# Altium PCB 超级电容(改).PcbDoc
Units mil, origin at the board's own origin, x right, y up, seen from the top; angles counter-clockwise.
Board outline 3947.04 x 1132.08 mil, 2 copper layers (Top Layer, Bottom Layer); 36 components, 21 nets, 109 pads, 0 vias.
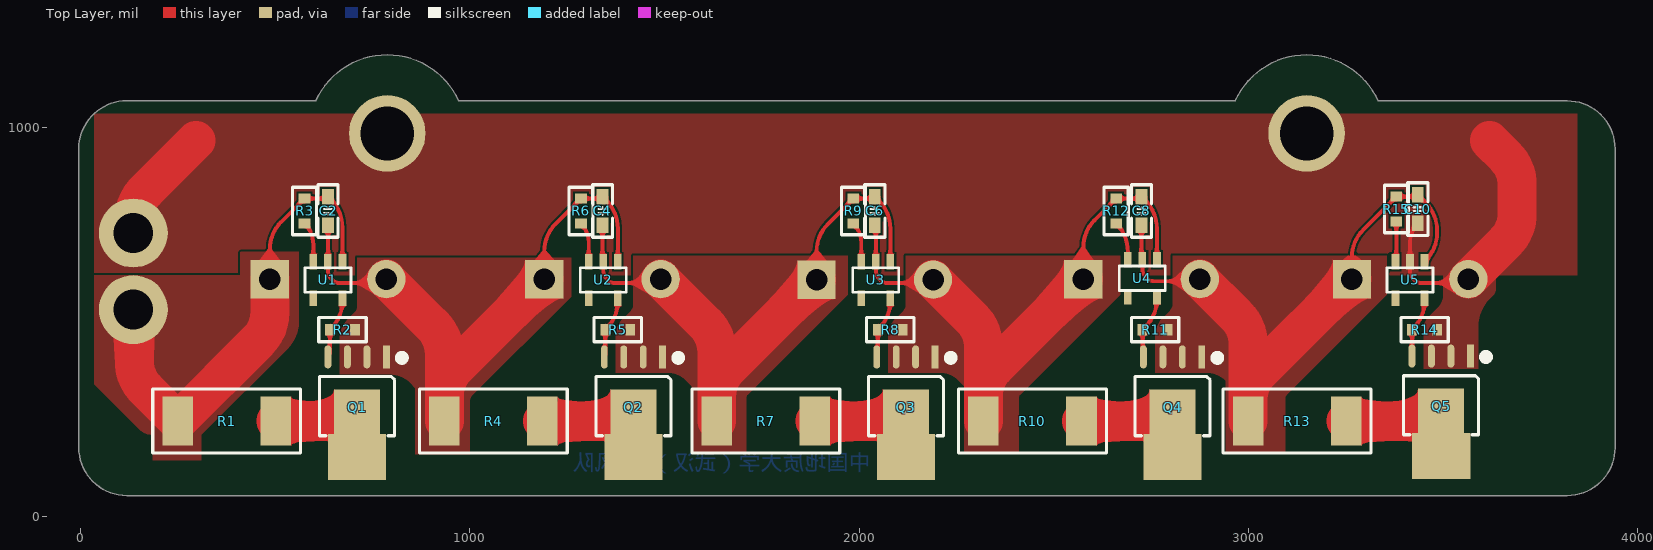
[diagram p0: Top Layer view]
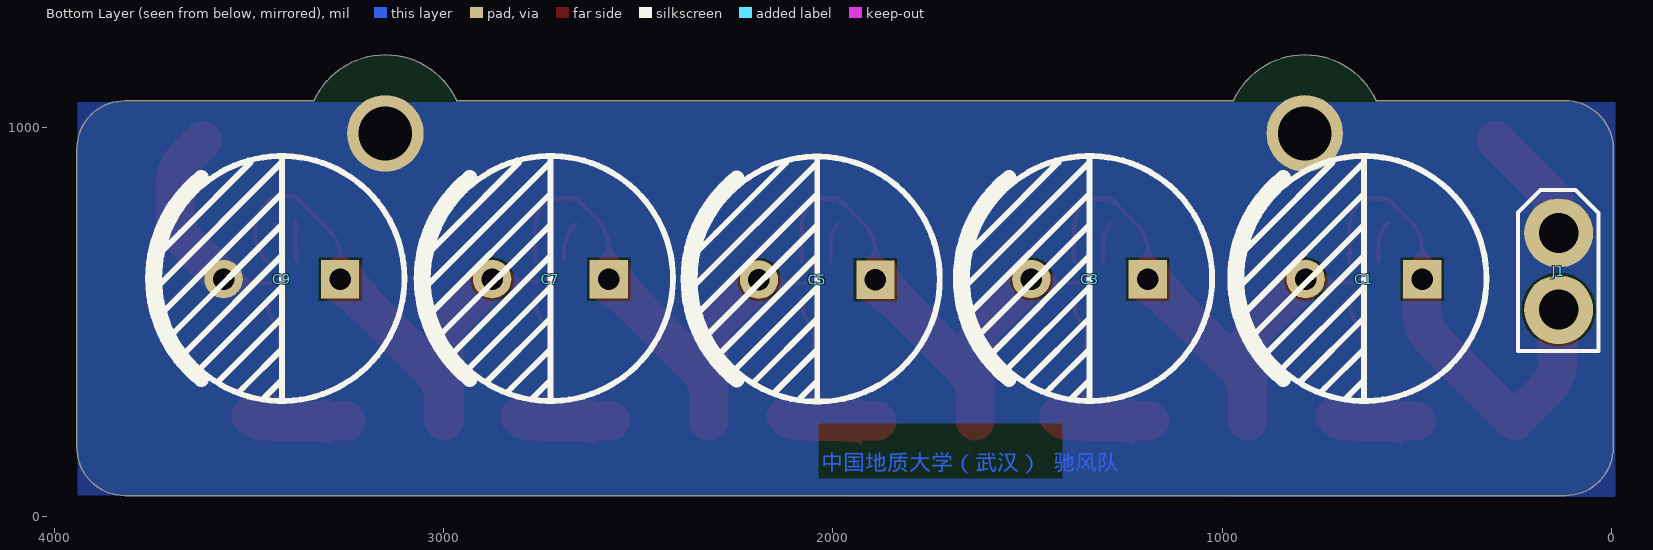
[diagram p1: Bottom Layer view, seen from below]
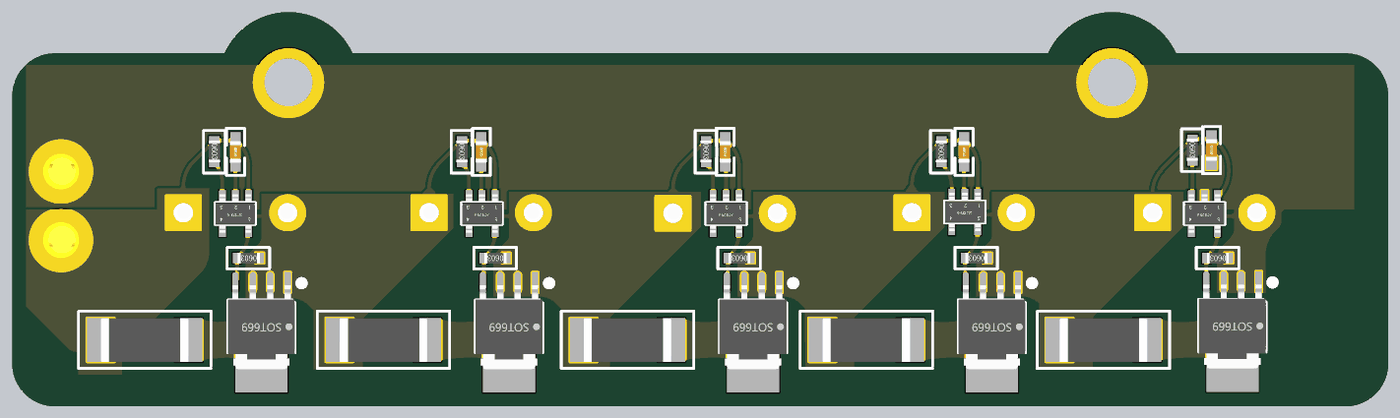
[diagram p2: 3D render of the assembled board from above, using the file's embedded part models]
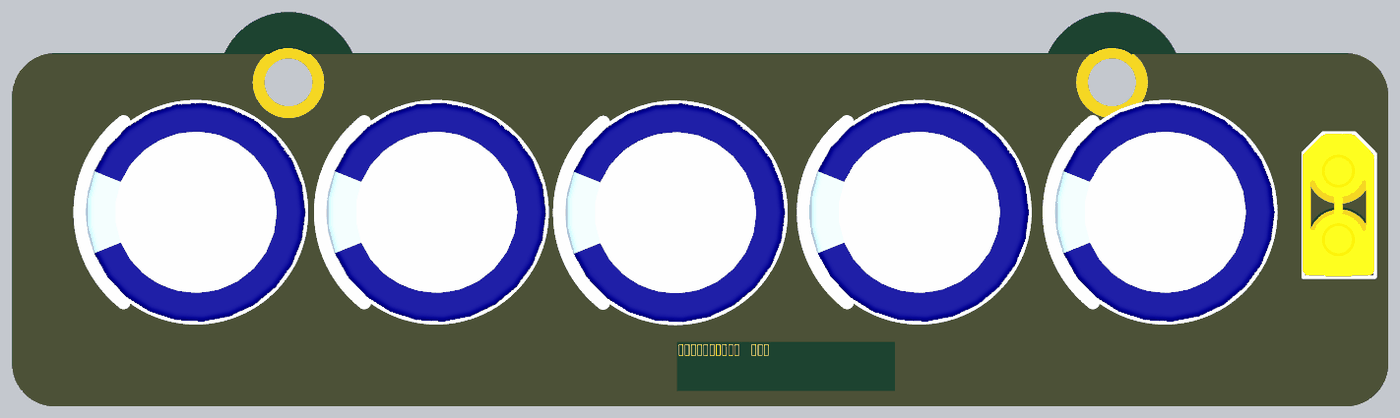
[diagram p3: 3D render of the assembled board from below, using the file's embedded part models]

## Layer stack, top to bottom
Top Solder: solder mask 0.4, Solder Resist, Dk 3.5
Top Layer: signal copper 1.4
Dielectric 1: dielectric 12.6, FR-4, Dk 4.8
Bottom Layer: signal copper 1.4
Bottom Solder: solder mask 0.4, Solder Resist, Dk 3.5

## Board outline
-5.01,177.17 ccw(c118.11,177.17) 118.08,54.04 ccw(c118.11,59.06) 118.11,54.04 3818.9,54.04 ccw(c3818.9,59.06) 3818.93,54.04 ccw(c3818.9,177.17) 3942.02,177.13 ccw(c3818.9,177.17) 3942.02,177.17 3942.02,944.88 ccw(c3937.01,944.88) 3942.02,944.91 ccw(c3818.9,944.88) 3818.9,1068.01 3333.28,1068.01 ccw(c3149.61,984.25) 2966.07,1068.3 971.07,1068.01 ccw(c787.4,984.25) 603.73,1068.01 118.11,1068.01 ccw(c118.11,944.88) -5.01,944.88

## Design rules (kind name [scope] priority, off if disabled: settings)
Clearance [All] p1: gap=6 ignorepadtopadclearanceinfootprint=FALSE except(0: Arc-Hole Track-Hole SMDPad-Hole THPad-Hole Via-Hole Fill-Hole Poly-Hole Region-Hole Text-Hole)
Height [All] p1: minheight=0 maxheight=99999 prefheight=500
PolygonConnect PolygonConnect_6 [All vs IsNamedPolygon('Bottom Layer-No Net')] p1: connectstyle=Direct reliefconductorwidth=10 reliefentries=4 polygonreliefangle="90 Angle" airgapwidth=10
PolygonConnect PolygonConnect_5 [All vs IsNamedPolygon('Bottom Layer-No Net')] p2: connectstyle=Direct reliefconductorwidth=10 reliefentries=4 polygonreliefangle="90 Angle" airgapwidth=10
PolygonConnect PolygonConnect_4 [All vs IsNamedPolygon('Top Layer-GND 1')] p3: connectstyle=Direct reliefconductorwidth=10 reliefentries=4 polygonreliefangle="90 Angle" airgapwidth=10
PolygonConnect PolygonConnect_3 [All vs IsNamedPolygon('Top Layer-GND')] p4: connectstyle=Direct reliefconductorwidth=10 reliefentries=4 polygonreliefangle="90 Angle" airgapwidth=10
PolygonConnect PolygonConnect_2 [All vs IsNamedPolygon('Top Layer-NetC1_2')] p5: connectstyle=Direct reliefconductorwidth=10 reliefentries=4 polygonreliefangle="90 Angle" airgapwidth=10
PolygonConnect PolygonConnect_1 [All vs IsNamedPolygon('Top Layer-VCC')] p6: connectstyle=Direct reliefconductorwidth=10 reliefentries=4 polygonreliefangle="90 Angle" airgapwidth=10
PolygonConnect [All] p7: connectstyle=Relief reliefconductorwidth=10 reliefentries=4 polygonreliefangle="90 Angle" airgapwidth=10
RoutingVias [All] p1: holewidth=28 width=50 viastyle="Through Hole" minholewidth=28 minwidth=50 maxholewidth=28 maxwidth=50
SolderMaskExpansion [All] p1: expansion=4
Width [All] p1: maxlimit=100 minlimit=10 preferedwidth=10 minimp=50.000000 maximp=50.000000 favimp=50.000000
29 further rules are at their usual default settings.

## Components (designator, comment, footprint, x,y, rotation, side; value= is the part's Value field where it differs from the comment)
C1 "BCAP0025" BCAP0025 635.39,611.5 r0 bottom
C2 "104" C0603 635.39,785 r270 top
C3 "BCAP0025" BCAP0025 1340.39,611.5 r0 bottom
C4 "104" C0603 1340.39,785 r270 top
C5 "BCAP0025" BCAP0025 2040,610 r0 bottom
C6 "104" C0603 2040,785 r270 top
C7 "BCAP0025" BCAP0025 2725.39,611.5 r0 bottom
C8 "104" C0603 2725,785 r270 top
C9 "BCAP0025" BCAP0025 3415.39,611.5 r0 bottom
C10 "104" C0603 3435,790 r270 top
J1 "2P" XT30ĸ 135,630 r270 bottom (schematic designator J?)
Q1 "PSMN1R4-40YLD" PSMN1R4-40YLD 710,282.68 r180 top
Q2 "PSMN1R4-40YLD" PSMN1R4-40YLD 1420,282.68 r180 top
Q3 "PSMN1R4-40YLD" PSMN1R4-40YLD 2120,282.68 r180 top
Q4 "PSMN1R4-40YLD" PSMN1R4-40YLD 2805,282.68 r180 top
Q5 "PSMN1R4-40YLD" PSMN1R4-40YLD 3495,285 r180 top
R1 "4R7" R2512 375,245 r0 top
R2 "1K" R0603 672.4,480 r180 top
R3 "1K" R0603 575,785 r270 top
R4 "4R7" R2512 1060,245 r0 top
R5 "1K" R0603 1380,480 r180 top
R6 "1K" R0603 1285,785 r270 top
R7 "4R7" R2512 1760,245 r0 top
R8 "1K" R0603 2080,480 r180 top
R9 "1K" R0603 1985,785 r270 top
R10 "4R7" R2512 2445,245 r0 top
R11 "1K" R0603 2760,480 r180 top
R12 "1K" R0603 2660,785 r270 top
R13 "4R7" R2512 3125,245 r0 top
R14 "1K" R0603 3452.4,480 r180 top
R15 "1K" R0603 3380,790 r270 top
U1 "BW6101" SOT23-5 672.4,655 r180 top
U2 "BW6101" SOT23-5 1379.8,655 r180 top
U3 "BW6101" SOT23-5 2080,655 r180 top
U4 "BW6101" SOT23-5 2764.8,659.49 r180 top
U5 "BW6101" SOT23-5 3452.4,655 r180 top

## Footprints (in the part's own frame and the unit in brackets; to place one, negate y for a bottom-side part, rotate by r counter-clockwise, add the part's x,y. Pads: shape width x height; smd on the part's side, far side on the other; paste and mask are expansions set on the pad)
BCAP0025 [mm]
  rect 2.5x2.5 hole 1.4: 1(-3.8,0.038)
  round 2.5 hole 1.4: 2(3.8,0.038)
  silkscreen extent -8,-8 8.42,8, body extent -8,-8 8.01,8, height 31.53
C0603 [mil]
  rect 40x30 smd: 1(-36.5,0) 2(36.5,0)
  silkscreen extent -68,-26 68,26, body extent -31,-16 31,16, height 32
PSMN1R4-40YLD [mm]
  rect 0.45x1.5 smd: 1(-1.905,-3.234)
  oval 0.45x1.5 smd: 2(-0.635,-3.234) 3(0.635,-3.234) 4(1.905,-3.234)
  rect 3.8x3 smd: 5(0,3.302)
  rect 3x3.5 smd: 5(0,0.635)
  silkscreen extent -3.12,-3.37 2.45,1.91, body extent -2.45,-3.02 2.45,3.1, height 1.1
R0603 [mil]
  rect 25x30 smd: 1(-32,0) 2(32,0)
  silkscreen extent -61,-31 61,31, body extent -32,-16 31,16, height 18
R2512 [mm]
  rect 2x3.2 smd: 1(-3.2,0) 2(3.2,0)
  silkscreen extent -4.83,-2.08 4.83,2.11, body extent -3.2,-1.63 3.2,1.57, height 0.7
SOT23-5 [mm]
  rect 0.5x1 smd: 1(0,0) 2(0.95,0) 3(1.9,0) 4(1.9,2.4) 5(0,2.4)
  silkscreen extent -0.55,0.4 2.45,2, body extent -0.5,-0.2 2.4,2.6, height 1.09
XT30ĸ [mm]
  round 4.5 hole 2.6: 1(2.5,0) 2(-2.5,0)
  silkscreen extent -5.3,-2.65 5.2,2.6, body extent -5.25,-2.7 5.2,2.55, height 12.6

## Part data
C2 C4 C6 C8 C10: library part MLCC
R1 R2 R3 R4 R5 R6 R7 R8 R9 R10 R11 R12 R13 R14 R15: library part RES

## Free pads (board coordinates)
  round 196.85 hole 137.8: ""(787.4,984.25) ""(3149.61,984.25)

## Nets (pads, with @x,y where several pads share a name; then routed paths per layer and width w, separated by ;. In a path a pad name is that pad's centre, name@x,y a point inside that pad or via, vN(x,y) a via of type N, cw(c..) or ccw(c..) an arc to the next point about the centre after c; other vN are vias at no path point)
GND: C9.2 C10.2 J1.2 pad. Q5.1 Q5.2 Q5.3 R14.1 U5.2 | length 1002.7
  Top Layer w10: C10.2 ccw(c3483.28,705.22) 3415,705.22 U5.2 3415,632.64 ccw(c3449.14,632.64) 3425,608.5 ccw(c3445.51,629.01) 3445.51,600 C9.2@3540.86,600
  Top Layer w100: J1.2@137.8,723.43 137.8,766.37 cw(c237.8,766.37) 167.08,837.08 295.71,965.71 ; C9.2 3660.71,705.71 ccw(c3590,776.42) 3690,776.42 3690,853.58 ccw(c3590,853.58) 3660.71,924.29 3619.29,965.71
NetC1_2: C1.2 C2.2 C3.1 C4.1 Q1.1 Q1.2 Q1.3 R2.1 R4.1 R6.1 U1.2 U2.1 | length 1587.2
  Top Layer w10: C2.2 635.39,655.94 cw(c634.06,655.94) U1.2 635,632.64 ccw(c669.14,632.64) 645,608.5 ccw(c665.51,629.01) 665.51,600 760.86,600 ccw(c760.86,634.14) C1.2 ; C3.1 1190.79,681.37 cw(c1290.79,681.37) 1220.08,752.08 R6.1 1329.53,817 ccw(c1329.53,832.36) C4.1 1350.51,811.38 cw(c1279.8,740.67) 1379.8,740.67 U2.1
  Top Layer w100: C1.2 904.73,490.27 cw(c834.02,419.56) 934.02,419.56 934.02,311.81 ; R4.1 934.02,311.81 ; C3.1 963.31,382.52 ccw(c1034.02,311.81) 934.02,311.81
NetC3_2: C3.2 C4.2 C5.1 C6.1 Q2.1 Q2.2 Q2.3 R5.1 R7.1 R9.1 U2.2 U3.1 | length 1559.7
  Top Layer w10: C4.2 1340.39,659.86 ccw(c1347.26,659.86) U2.2 1342.4,632.64 ccw(c1376.54,632.64) 1352.4,608.5 ccw(c1372.91,629.01) 1372.91,600 C3.2@1468.26,600 ; C5.1 1890.4,680.98 cw(c1990.4,680.98) 1919.69,751.69 R9.1 2029.14,817 ccw(c2029.14,832.36) C6.1 2050.71,810.79 cw(c1980,740.08) 2080,740.08 U3.1
  Top Layer w100: C3.2 1604.73,495.27 cw(c1534.02,424.56) 1634.02,424.56 1634.02,310.69 ; R7.1 1634.02,310.69 ; C5.1 1663.3,381.4 ccw(c1734.02,310.69) 1634.02,310.69
NetC5_2: C5.2 C6.2 C7.1 C8.1 Q3.1 Q3.2 Q3.3 R8.1 R10.1 R12.1 U3.2 U4.1 | length 1556.3
  Top Layer w10: C6.2 cw(c2033.73,742.23) 2042.6,742.23 U3.2 2042.6,632.64 ccw(c2076.74,632.64) 2052.6,608.5 ccw(c2073.11,629.01) 2073.11,600 C5.2@2168.46,600 ; C7.1 2575.79,691.37 cw(c2675.79,691.37) 2605.08,762.08 R12.1 2714.14,817 ccw(c2714.14,832.36) C8.1 2735.51,810.99 cw(c2664.8,740.28) 2764.8,740.28 U4.1 U4.1@2764.8,655.74
  Top Layer w100: C5.2 2289.73,508.38 cw(c2219.02,437.67) 2319.02,437.67 2319.02,311.81 ; R10.1 2319.02,311.81 ; C7.1 2348.3,382.52 ccw(c2419.02,311.81) 2319.02,311.81
NetC7_2: C7.2 C8.2 C9.1 C10.1 Q4.1 Q4.2 Q4.3 R11.1 R13.1 R15.1 U4.2 U5.1 | length 1591.2
  Top Layer w10: C8.2 2725,665.29 ccw(c2733.2,665.29) U4.2 2727.4,637.13 ccw(c2761.54,637.13) 2737.4,612.98 ccw(c2757.91,633.5) 2757.91,604.49 C7.2@2853.26,604.49 ; C9.1 3265.79,666.37 cw(c3365.79,666.37) 3295.08,737.08 R15.1 3424.14,822 ccw(c3424.14,837.36) C10.1 3455.11,806.39 cw(c3384.4,735.68) 3484.4,735.68 3484.4,728.42 cw(c3384.4,728.42) 3455.11,657.71 U5.1
  Top Layer w100: C7.2 2969.73,515.27 cw(c2899.02,444.56) 2999.02,444.56 R13.1@2999.02,301.81 ; R13.1 R13.1@2999.02,301.81 ; C9.1 3028.3,372.52 ccw(c3099.02,301.81) R13.1@2999.02,301.81
NetQ1_4: Q1.4 R2.2 U1.5 | length 160.9
  Top Layer w10: Q1.4 ccw(c621.95,423.05) 640.4,423.05 R2.2 643.11,482.71 ccw(c572.4,553.42) 672.4,553.42 U1.5
NetQ1_5: Q1.5 R1.2 | length 212.4
  Top Layer w100: R1.2 679.39,245 ccw(c679.39,288.28) Q1.5@710,257.68
NetQ2_4: Q2.4 R5.2 U2.5 | length 160.2
  Top Layer w10: Q2.4 ccw(c1337.75,417.25) 1348,417.25 R5.2 1350.51,482.51 ccw(c1279.8,553.22) 1379.8,553.22 U2.5
NetQ2_5: Q2.5 R4.2 | length 237.4
  Top Layer w100: R4.2 1389.39,245 ccw(c1389.39,288.28) Q2.5@1420,257.68
NetQ3_4: Q3.4 R8.2 U3.5 | length 160.3
  Top Layer w10: Q3.4 ccw(c2037.76,417.24) 2048,417.24 R8.2 2050.71,482.71 ccw(c1980,553.42) 2080,553.42 U3.5
NetQ3_5: Q3.5 R7.2 | length 237.4
  Top Layer w100: R7.2 2089.39,245 ccw(c2089.39,288.28) Q3.5@2120,257.68
NetQ4_4: Q4.4 R11.2 U4.5 | length 166.5
  Top Layer w10: Q4.4 cw(c2734.83,414.83) 2728,414.83 R11.2 2735.51,487.51 ccw(c2664.8,558.22) 2764.8,558.22 U4.5
NetQ4_5: Q4.5 R10.2 | length 237.4
  Top Layer w100: R10.2 2774.39,245 ccw(c2774.39,288.28) Q4.5@2805,257.68
NetQ5_4: Q5.4 R14.2 U5.5 | length 157.3
  Top Layer w10: Q5.4 ccw(c3419.02,413.3) 3420.4,413.3 R14.2 3423.11,482.71 ccw(c3352.4,553.42) 3452.4,553.42 U5.5
NetQ5_5: Q5.5 R13.2 | length 248
  Top Layer w100: R13.2 3458.79,245 ccw(c3458.79,296.2) Q5.5@3495,260
NetR3_2: R3.2 U1.3 | length 104
  Top Layer w10: R3.2 cw(c520.44,698.44) 597.6,698.44 U1.3
NetR6_2: R6.2 U2.3 | length 103.3
  Top Layer w10: R6.2 cw(c1236.72,704.72) 1305,704.72 U2.3
NetR9_2: R9.2 U3.3 | length 103.4
  Top Layer w10: R9.2 cw(c1936.24,704.24) 2005.2,704.24 U3.3
NetR12_2: R12.2 U4.3 | length 101.6
  Top Layer w10: R12.2 2660.71,752.29 cw(c2590,681.58) 2690,681.58 U4.3
NetR15_2: R15.2 U5.3 | length 103.6
  Top Layer w10: U5.3 ccw(c3371.8,660.8) 3380,660.8 R15.2
VCC: C1.1 C2.1 J1.1 R1.1 R3.1 U1.1 | length 1269.4
  Top Layer w10: C1.1@489.42,608.5 cw(c489.42,613.63) C1.1 485.79,686.37 cw(c585.79,686.37) 515.08,757.08 R3.1 624.53,817 ccw(c624.53,832.36) C2.1 643.11,813.78 cw(c572.4,743.07) 672.4,743.07 U1.1 U1.1@672.4,650.51
  Top Layer w100: J1.1@137.8,526.57 137.8,397.64 ccw(c237.8,397.64) 167.08,326.93 R1.1 456.5,452.48 ccw(c385.79,523.19) 485.79,523.19 C1.1
pads on no net: U1.4 U2.4 U3.4 U4.4 U5.4

## Polygon pours and split planes (outlines as drawn)
GND on Top Layer "Top Layer-GND 1" (solid, remove dead copper, pour order 14): 35,620 3845,620 3845,1035 35,1035
VCC on Top Layer "Top Layer-VCC" (solid, remove dead copper, pour order 2): 35,620 410,620 410,680 560,680 560,500 cw(c463.43,500) 531.72,431.72 310,210 310,145 185,145 185,210 cw(c185,258.28) 150.86,224.14 35,340
GND on Top Layer "Top Layer-GND" (solid, remove dead copper, pour order 12): 3500,664.9 3500,565 cw(c3464.45,565) 3489.59,539.86 3465,515.27 ccw(c3501.21,479.06) 3450,479.06 3450,380 3590,380 3590,488.58 cw(c3690,488.58) 3619.29,559.29 3630,570 ccw(c3617.93,582.07) 3635,582.07 3635,665.64
NetC7_2 on Top Layer "Top Layer-NetC1_2" (solid, remove dead copper, pour order 10): 2805,670 2805,545 cw(c2780.86,545) 2797.93,527.93 2780,510 ccw(c2828.28,461.72) 2760,461.72 2760,370 2890,370 cw(c2890,297.57) 2941.21,348.79 2941.21,165 3095,165 3095,305 cw(c3107.07,305) 3098.54,313.54 3355,570 3355,670
NetC5_2 on Top Layer "Top Layer-NetC1_2" (solid, remove dead copper, pour order 8): 2120,670 2120,545 cw(c2095.86,545) 2112.93,527.93 2095,510 ccw(c2143.28,461.72) 2075,461.72 2075,370 2205,370 cw(c2205,297.57) 2256.21,348.79 2270,335 2270,165 2410,165 2410,305 cw(c2422.07,305) 2413.54,313.54 2670,570 2670,670
NetC3_2 on Top Layer "Top Layer-NetC1_2" (solid, remove dead copper, pour order 6): 1420,670 1420,545 cw(c1395.86,545) 1412.93,527.93 1395,510 ccw(c1443.28,461.72) 1375,461.72 1375,370 1505,370 cw(c1505,297.57) 1556.21,348.79 1570,335 1570,165 1710,165 1710,305 cw(c1722.07,305) 1713.54,313.54 1970,570 1970,670
NetC1_2 on Top Layer "Top Layer-NetC1_2" (solid, remove dead copper, pour order 4): 710,665 710,540 cw(c685.86,540) 702.93,522.93 685,505 ccw(c733.28,456.72) 665,456.72 665,365 795,365 cw(c795,292.57) 846.21,343.79 860,330 860,160 1000,160 1000,300 cw(c1012.07,300) 1003.54,308.54 1260,565 1260,665
GND on Bottom Layer "Bottom Layer-No Net" (solid, remove dead copper, pour order 15): -10,50 -10,1065 3940,1065 3940,55

## Other copper
Bottom Layer:
  text "中国地质大学（武汉）  驰风队" at 2030,105 h70

## Silkscreen, mask and mechanical layers (free items; w line width, h text height)
Bottom Solder:
  text "中国地质大学（武汉）  驰风队" at 2030,105 h70
Mechanical 1:
  lines w10: 607.48,1062.99 118.11,1062.99 ccw(c118.11,944.88) 0,944.88 0,177.17 ccw(c118.11,177.17) 118.11,59.06 3818.9,59.06 ccw(c3818.9,177.17) 3937.01,177.17 3937.01,944.88 ccw(c3818.9,944.88) 3818.9,1062.99 3330.79,1062.99 ; 607.48,1064.11 cw(c787.4,984.25) 967.87,1062.86 ; 968.16,1062.99 2969.32,1063.29 cw(c3149.61,984.25) 3330.15,1062.71